# KiCad board board_deltaRenumBack.kicad_pcb (continued)
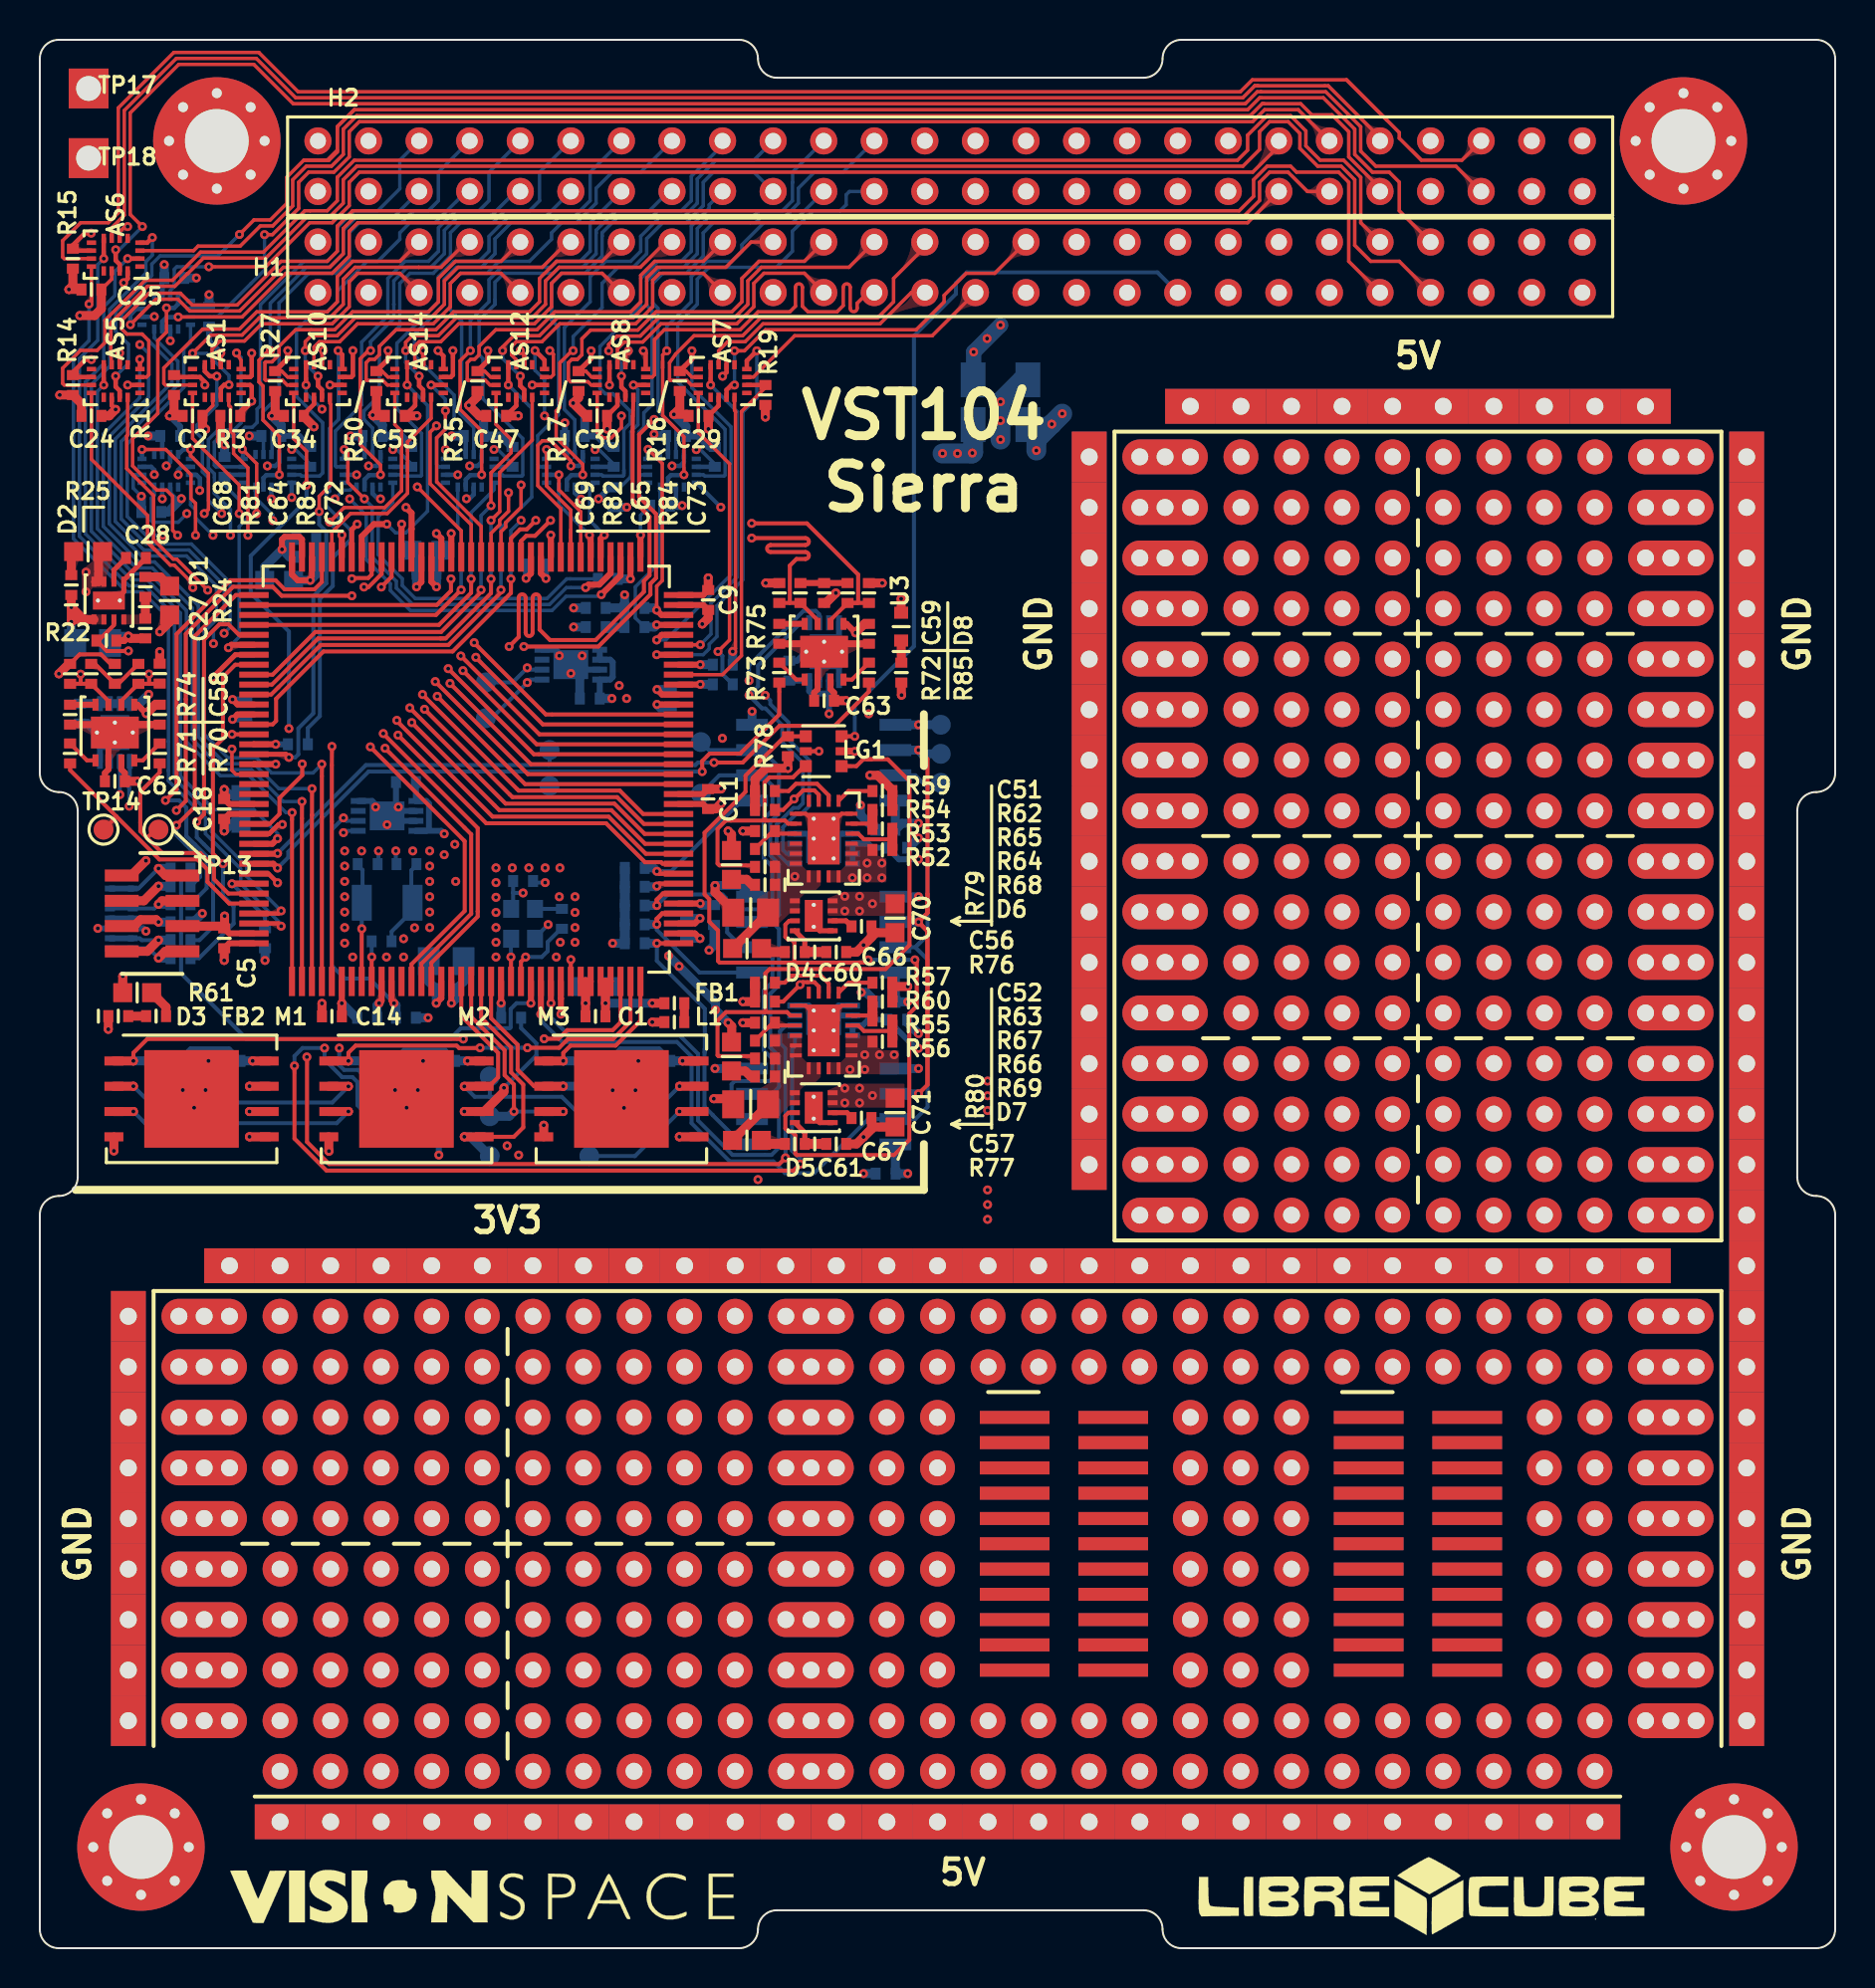
[diagram p0: board, top side]
## Routing (per net, layer and track width the routed paths; a pad name or vN(x,y) marks a point on that pad's centre or on a via; arc(x,y) is an arc through that point) (continued)
/UART2_RX: length 31
  Top w0.2: U1.122 11.69,61.49 11.87,61.66 11.87,62.78 14.24,65.15 20.73,65.15 23.37,67.79 23.37,67.8 23.66,68.09 v1(23.66,68.8)
  Top w0.225: AS12.16 25.35,79.79 v1(24.87,80.27)
  In2.Cu w0.173: v1(25.35,76.99) 25.89,76.45 25.89,74.77 25.21,74.09 25.21,72.78 v1(24.17,71.74)
  Bottom w0.173: v1(24.87,80.27) 24.87,79.28 25.35,78.8 v1(25.35,76.99) ; v1(24.17,71.74) 23.66,71.23 v1(23.66,68.8)
/UART2_TX: length 27.1
  Top w0.2: v1(23.16,68.25) 23.16,68.12 20.52,65.48 14.11,65.48 11.62,62.99 U1.119
  Top w0.225: AS12.4 v1(23.53,78.54)
  Bottom w0.173: v1(23.16,68.25) 23.16,71.36 24.71,72.91 24.71,77.36 v1(23.53,78.54)
/UART3_CTS: length 8
  Top w0.173: 26.67,70.87 U1.80 ; 26.67,70.87 26.67,71.28 ; 26.67,70.87 26.67,71.07 ; U1.80 26.67,71.28 ; U1.80 26.67,69.9 ; 26.67,71.28 26.67,72.25 25.45,73.47 v1(25.45,75.3)
  Bottom w0.225: AS13.8 25.45,75.3 v1(25.45,75.3)
/UART3_EN: length 10.3
  Top w0.173: U1.79 27.17,72.18 26.07,73.27 v1(26.07,74.03)
  In2.Cu w0.173: v1(27.89,75.29) 26.84,75.29 26.07,74.52 v1(26.07,74.03)
  Bottom w0.173: 28.82,74.53 28.72,74.43 ; v1(27.89,75.29) 28.09,75.29 28.82,74.56 R36.1
  Bottom w0.225: AS13.6 v1(26.07,74.03) ; AS13.14 R36.1
/UART3_RST: length 9.6
  Top w0.173: v1(26.67,74.48) 26.67,74.73 25.66,75.74 25.24,75.74 25.01,75.51 25.01,73.48 26.17,72.33 U1.81
  Bottom w0.225: v1(26.67,74.48) 27.07,74.48 27.27,74.67 AS13.12
/UART3_RX: length 4.6
  Top w0.3: U1.78 27.67,70.94 v1(27.6,71)
  Bottom w0.173: v1(27.6,71) 26.07,72.53 AS13.4 26.07,73.01
/UART3_TX: length 4.3
  Top w0.3: U1.77 28.17,70.82 v1(28.35,71)
  Bottom w0.173: 27.97,71.38 27.89,71.46 ; 27.97,71.38 v1(28.35,71) ; 27.97,71.38 27.62,71.73 27.62,73.36 AS13.16
/UART4_CTS: length 40.1
  Top w0.2: v1(6.86,57.17) 7.33,57.64 7.33,66.03 9.7,68.4 11.69,68.4 12.15,67.95 v1(15.67,67.95)
  Top w0.225: v1(11.94,53.53) 11.48,53.99 U1.137
  In2.Cu w0.173: v1(15.67,67.95) 17.36,67.95 19.18,69.77 19.18,70.58 ; 19.18,70.58 19.18,71.39 20.25,72.46 20.25,75.18 v1(20.37,75.3) ; 19.18,70.58 19.18,69.84
  In2.Cu w0.2: v1(11.94,53.53) 11.44,53.03 9.28,53.03 8.75,53.56 8.75,56.41 7.99,57.17 v1(6.86,57.17)
  Bottom w0.225: v1(20.37,75.3) 20.37,75.3 AS15.8
/UART4_EN: length 11.2
  Top w0.173: U1.88 22.67,71.1 23.1,71.53 23.1,71.75 23.54,72.2 v1(23.54,73.13)
  In2.Cu w0.173: v1(20.99,74.03) 21.43,73.59 22.4,73.59 22.81,74 ; 22.81,74 22.81,73.86 v1(23.54,73.13) ; 22.81,74 v1(22.81,75.3)
  Bottom w0.173: R51.1 23.74,74.56 23,75.3 v1(22.81,75.3)
  Bottom w0.225: AS15.14 R51.1 ; AS15.6 v1(20.99,74.03)
/UART4_RST: length 19.4
  Top w0.2: U1.110 19.94,67.49 20.65,68.2 v1(20.65,68.8)
  In2.Cu w0.173: v1(20.65,68.8) 19.48,69.97 19.48,71.27 20.55,72.34 20.55,74.24 20.79,74.48 v1(21.59,74.48)
  Bottom w0.225: v1(21.59,74.48) 21.99,74.48 22.19,74.67 AS15.12
/UART4_RX: length 17.6
  Top w0.2: v1(21.66,68.8) 21.66,68.1 20.05,66.49 U1.112
  Bottom w0.173: AS15.16 22.81,73.28 21.66,72.13 v1(21.66,68.8)
/UART4_TX: length 16.2
  Top w0.2: U1.111 19.9,66.99 v1(21.16,68.25)
  Bottom w0.173: AS15.4 20.99,71.4 21.16,71.23 v1(21.16,68.25)
/USER1_1: length 33.7
  Top w0.17: 10.45,73.3 10.45,74.38 9.73,75.1 9.73,75.34
  Top w0.173: AS1.12 9.49,77.52 9.58,77.43 9.58,76.22 9.73,76.07 9.73,75.34 ; v1(10.45,70.99) 10.45,73.3
  Top w0.2: v1(20.51,64.29) 24.81,59.99 U1.56
  In2.Cu w0.173: v1(20.51,64.29) 18.49,66.31 14.89,66.31 14.63,66.57 14.63,66.57 10.45,70.74 v1(10.45,70.99)
/USER1_2: length 39.3
  Top w0.173: AS1.16 10.11,79.78 v1(9.88,80.15)
  Top w0.2: U1.54 24.51,58.99 v1(19.86,63.64)
  In2.Cu w0.173: v1(19.86,63.64) 17.79,65.71 14.63,65.71 9.57,70.77 v1(9.57,70.99)
  Bottom w0.17: 8.77,73.9 8.77,73.1 9.57,72.29 9.57,72.2
  Bottom w0.173: 8.77,73.9 8.77,74.08 8.47,74.38 8.47,75.8 8.95,76.28 9.75,76.28 10.1,76.64 10.1,79.93 v1(9.88,80.15) ; 9.57,72.2 v1(9.57,70.99)
/USER1_4: length 35.1
  Top w0.17: 10.01,73.14 10.01,73.52 8.88,74.65
  Top w0.173: AS1.8 7.67,75.86 8.88,74.65 ; v1(10.01,72.08) 10.01,73.14
  Top w0.2: v1(20.6,63.55) 24.66,59.49 U1.55
  In2.Cu w0.173: v1(20.6,63.55) 18.14,66.01 14.76,66.01 14.56,66.21 14.55,66.21 10.01,70.76 v1(10.01,72.08)
/USER1_EN: length 17.5
  Top w0.2: U1.98 17.67,68.91 v1(17.15,68.39)
  Top w0.225: AS1.14 10.56,78.54 10.64,78.47 v1(10.64,77.73)
  Top w0.3: R3.2 10.07,77.16 v1(10.64,77.73)
  In2.Cu w0.173: v1(17.15,68.39) 17.15,69.71 14.38,72.48 14.38,76.47 13.12,77.73 10.93,77.73 v1(10.64,77.73)
/USER2_1: length 29.1
  Top w0.2: v1(21.9,64.86) 21.93,64.83 21.93,64.82 25.26,61.49 U1.59
  In2.Cu w0.173: v1(21.9,64.86) 21.9,64.86 19.55,67.21 15.34,67.21 14.81,67.74 14.81,69.47 12.14,72.14 12.14,72.96 11.43,73.67 v1(11.43,74.48)
  Bottom w0.225: v1(11.43,74.48) 11.83,74.48 12.03,74.67 AS2.12
/USER2_2: length 26.5
  Top w0.2: v1(21.81,65.6) 21.84,65.57 21.84,65.56 25.41,61.99 U1.60
  In2.Cu w0.173: 16.65,67.51 19.9,67.51 v1(21.81,65.6) ; 16.65,67.51 15.46,67.51 15.11,67.86 15.11,69.59 12.65,72.05 v1(12.65,72.89) 12.65,72.87 ; 16.65,67.51 16.35,67.51
  Bottom w0.225: v1(12.65,72.89) 12.65,72.89 AS2.16
/USER2_4: length 30.8
  Top w0.17: v1(10.17,75.31) 10.89,74.59 10.89,73.07
  Top w0.173: v1(10.89,72.08) 10.89,73.07
  Top w0.2: v1(21.25,64.19) 24.95,60.49 U1.57
  In2.Cu w0.173: v1(21.25,64.19) 18.83,66.61 15.01,66.61 14.76,66.87 14.75,66.87 10.89,70.73 v1(10.89,72.08)
  Bottom w0.225: v1(10.17,75.31) 10.21,75.27 AS2.8
/USER2_EN: length 12
  Top w0.2: v1(15.67,68.81) 15.7,68.84 16.49,68.84 16.67,69.02 U1.100
  In2.Cu w0.173: v1(15.67,68.81) 15.67,69.45 13.09,72.04 13.09,73.17 12.65,73.61 v1(12.65,75.3)
  Bottom w0.173: R4.1 13.58,74.56 12.84,75.3 v1(12.65,75.3)
  Bottom w0.225: AS2.14 R4.1
/USER3_1: length 35.5
  Top w0.173: v1(8.26,72.08) 8.47,72.29 8.47,74.09 7.57,74.99 v1(7.57,75.31)
  Top w0.2: v1(19.32,62.25) 23.74,57.83 28.99,57.83 30.34,56.49 U1.49
  In2.Cu w0.173: v1(8.26,72.08) 8.26,70.78 14.23,64.81 16.76,64.81 v1(19.32,62.25)
  Bottom w0.225: AS3.12 7.21,75.31 v1(7.57,75.31)
/USER3_2: length 32.4
  Top w0.2: U1.50 30.3,56.99 29.13,58.16 24.05,58.16 v1(19.22,62.99)
  In2.Cu w0.173: v1(8.7,70.99) 8.7,70.8 10.35,69.15 14.38,65.11 17.1,65.11 v1(19.22,62.99)
  Bottom w0.17: AS3.16 7.57,72.52 7.82,72.26 7.82,71.87 v1(8.7,70.99)
/USER3_3: length 36.1
  Top w0.2: U1.47 30.4,55.49 28.71,57.18 23.08,57.18 v1(18.68,61.58)
  In2.Cu w0.173: v1(18.68,61.58) 16.05,64.21 13.98,64.21 7.38,70.81 v1(7.38,72.08)
  Bottom w0.173: v1(7.38,72.08) 6.95,71.65 5.68,71.65 5.6,71.73 5.6,72.86 5.75,73.01 AS3.4
/USER3_4: length 37.2
  Top w0.173: v1(7.82,70.99) 7.82,72.6 7.59,72.83 7.59,74.04 6.33,75.3 v1(5.13,75.3)
  Top w0.2: U1.48 30.38,55.99 28.86,57.51 23.39,57.51 18.58,62.32 v1(18.58,62.32)
  In2.Cu w0.173: v1(18.58,62.32) 16.39,64.51 14.1,64.51 7.82,70.79 v1(7.82,70.99)
  Bottom w0.225: v1(5.13,75.3) 5.13,75.3 AS3.8
/USER3_EN: length 27.6
  Top w0.2: v1(13.18,59.5) 13.18,58.94 12.04,57.79 12.04,56.99 11.54,56.49 U1.132
  In2.Cu w0.17: 13.18,61.37 v1(13.18,59.5)
  In2.Cu w0.173: 5.1,72.84 v1(5.1,72.95) ; v1(5.1,72.95) 5.1,71.39 6.63,69.86 6.63,68.77 8.26,67.14 8.26,65.36 11.87,61.75 12.88,61.75 13.18,61.45 13.18,61.37 ; v1(5.1,72.95) 5.71,73.56 6.48,73.56 v1(6.95,74.03)
  Bottom w0.173: AS3.6 4.8,74.03 4.69,73.91 4.69,73.36 v1(5.1,72.95)
  Bottom w0.225: v1(6.95,74.03) 6.95,74.27 7.11,74.43 AS3.14
  Bottom w0.45: R10.1 v1(5.1,72.95)
/USER4_1: length 46.3
  Top w0.173: v1(6.92,70.99) 6.67,71.24 6.67,72.95 6.36,73.26 5.88,73.26 4.66,74.48 4.66,75.85 5.93,77.12 5.93,80.76 6.36,81.2 v1(6.36,82.41)
  Top w0.2: U1.46 30.44,54.99 28.57,56.85 22.74,56.85 17.93,61.66 v1(17.93,61.69)
  In2.Cu w0.173: v1(6.92,70.99) 6.92,70.85 13.85,63.91 15.71,63.91 v1(17.93,61.69)
  Bottom w0.225: AS4.12 6.95,82.61 6.75,82.41 v1(6.36,82.41)
/USER4_2: length 49.6
  Top w0.2: U1.45 31.28,54.49 31.21,54.56 30.4,54.56 28.44,56.52 22.42,56.52 v1(17.99,60.95)
  In2.Cu w0.173: v1(6.18,70.99) 6.98,70.19 7.09,70.19 13.68,63.6 15.34,63.6 ; 15.34,63.6 v1(17.99,60.95) 15.34,63.6
  Bottom w0.173: v1(6.18,70.99) 5.34,70.99 4.39,71.94 4.39,75.58 7.23,78.42 7.23,80.34 7.57,80.68 AS4.16
/USER4_3: length 45.2
  Top w0.2: v1(16.6,60.36) 21.34,55.62 21.34,52.11 18.67,49.44 U1.13
  In2.Cu w0.173: v1(16.6,60.36) 14.26,62.7 12.76,62.7 9.39,66.07 v1(9.25,66.07)
  Bottom w0.173: v1(9.25,66.07) 9.56,66.37 9.56,68.61 7.61,70.55 5.35,70.55 4.09,71.81 4.09,75.7 6.93,78.54 6.93,79.73 5.75,80.91 AS4.4
/USER4_4: length 44.3
  Top w0.2: v1(14.67,60.38) 14.67,59.44 U1.5
  In2.Cu w0.173: v1(8.72,65.55) 8.72,65.44 11.79,62.38 11.79,62.38 12.11,62.06 12.99,62.06 v1(14.67,60.38)
  Bottom w0.173: AS4.8 5.13,82.73 5.1,82.7 4.7,82.7 4.11,82.1 4.11,81.36 4.36,81.1 5.13,81.1 6.63,79.61 6.63,78.67 3.79,75.82 3.79,71.69 5.23,70.25 7.49,70.25 9.26,68.48 9.26,66.72 8.72,66.18 v1(8.72,65.55)
/USER4_EN: length 32.6
  Top w0.173: v1(9.65,60.25) 9.65,59.18 9.84,58.99 U1.127
  In2.Cu w0.173: v1(9.65,60.25) 10.12,60.72 10.12,63.07 7.96,65.22 7.96,67.01 6.33,68.64 6.33,69.74 4.66,71.41 4.66,78.01 5.75,79.1 v1(5.75,81.98) 5.75,82.45 6.38,83.08 v1(8.5,83.08)
  Bottom w0.225: AS4.14 8.4,82.37 R11.1 ; AS4.6 5.74,81.97 v1(5.75,81.98)
  Bottom w0.45: R11.1 v1(8.5,83.08)
/USER5_1: length 38.7
  Top w0.173: AS5.12 4.41,76.02 4.36,75.97 4.36,74.35 4.67,74.04 4.67,74.03 5.71,72.99 5.71,70.78 6.7,69.79 6.88,69.79 v1(8.43,68.23)
  Top w0.2: U1.15 19.67,49.51 21.99,51.84 21.99,56.28 17.25,61.02 v1(17.25,61.03)
  In2.Cu w0.173: v1(17.25,61.03) 14.98,63.3 13.36,63.3 v1(8.43,68.23)
/USER5_2: length 39.1
  Top w0.2: v1(13.67,58.26) 13.67,56.94 13.67,56.94 U1.3
  Top w0.225: AS5.16 5.03,79.82 v1(5.02,79.83)
  Bottom w0.173: v1(5.02,79.83) 5.02,77.91 3.19,76.07 3.19,71.44 4.98,69.65 5.77,69.65 7.96,67.46 7.96,60.87 9.32,59.51 10.76,59.51 12.01,58.26 v1(13.67,58.26)
/USER5_3: length 37.2
  Top w0.2: v1(13.17,57.62) U1.2
  Top w0.225: AS5.4 v1(3.21,78.54)
  Bottom w0.173: v1(3.21,78.54) 2.89,78.22 2.89,71.32 4.85,69.35 5.64,69.35 7.66,67.34 7.66,60.74 9.19,59.21 10.63,59.21 12.23,57.62 v1(13.17,57.62)
/USER5_4: length 39.9
  Top w0.173: v1(7.68,68.36) 7.68,68.56 6.75,69.49 6.56,69.49 5.77,70.28 ; AS5.8 2.59,74.81 5.41,71.99 5.41,70.64 5.77,70.28 ; 5.49,70.55 5.77,70.28
  Top w0.2: v1(17.34,60.29) 21.67,55.96 21.67,51.98 19.17,49.48 U1.14
  In2.Cu w0.173: v1(7.68,68.36) 13.04,63 14.63,63 v1(17.34,60.29)
/USER5_EN: length 25.5
  Top w0.173: U1.115 9.84,64.99
  Top w0.225: AS5.14 v1(4.41,78.54) ; v1(2.59,79.82) 2.3,79.82 1.66,79.18 R14.1 1.76,78.94 AS5.6
  Top w0.25: v1(8.7,63.84) 8.7,63.87 9.82,64.99 U1.115
  In2.Cu w0.173: v1(2.59,79.82) 3.62,79.82 4.4,79.04 4.4,78.55 v1(4.41,78.54) 4.36,78.49 4.36,71.28 6.03,69.61 6.03,68.52 7.65,66.9 7.65,64.88 v1(8.7,63.84)
/USER6_1: length 46.6
  Top w0.2: U1.4 14.17,59.48 v1(14.16,59.49)
  Top w0.225: v1(4.21,83.68) 4.41,83.88 AS6.12
  In2.Cu w0.173: v1(5.02,80.57) 4.9,80.57 3.99,81.48 3.99,83.46 v1(4.21,83.68)
  Bottom w0.173: v1(14.16,59.49) 13.72,59.05 11.64,59.05 10.88,59.81 9.44,59.81 8.26,60.99 8.26,66.14 8.87,66.76 8.87,68.45 7.37,69.95 5.1,69.95 3.49,71.57 3.49,75.95 5.46,77.92 5.46,80.13 v1(5.02,80.57)
/USER6_2: length 45.2
  Top w0.173: 5.15,85.69 AS6.16
  Top w0.2: U1.1 12.67,57.06 v1(12.67,57.06)
  Top w0.225: v1(5.65,85.95) 5.39,85.69 AS6.16
  Bottom w0.173: v1(12.67,57.06) 12.36,57.06 10.51,58.91 9.07,58.91 7.36,60.62 7.36,67.21 5.52,69.05 4.73,69.05 2.59,71.19 2.59,78.57 3.51,79.49 3.51,82.35 5.33,84.16 5.33,84.74 5.65,85.06 v1(5.65,85.95)
/USER6_3: length 40.4
  Top w0.225: AS6.4 v1(3.21,84.89) ; U1.141 11.99,51.99 v1(12.12,52.12)
  Bottom w0.173: v1(12.12,52.12) 10.39,53.85 10.39,54.35 8.62,56.12 8.62,56.91 6.76,58.77 6.76,66.96 5.27,68.45 4.48,68.45 1.99,70.95 1.99,79.87 2.91,80.79 2.91,84.59 v1(3.21,84.89)
/USER6_4: length 40.2
  Top w0.173: 2.59,82.96 2.59,82.73 ; 2.59,82.96 2.59,82.89 ; 2.59,82.96 2.59,83.11 ; 2.59,82.73 2.59,83.11 ; 2.59,82.73 v1(2.47,82.61) ; 2.59,83.11 AS6.8
  Top w0.225: v1(12.12,51.35) 11.98,51.49 U1.142
  Bottom w0.173: v1(12.12,51.35) 12.12,51.45 10.09,53.48 10.09,54.23 8.32,56 8.32,56.79 6.46,58.65 6.46,66.84 5.15,68.15 4.36,68.15 1.69,70.82 1.69,79.99 2.47,80.77 v1(2.47,82.61)
/USER6_EN: length 42.7
  Top w0.225: v1(2.58,86.17) 2.26,86.17 1.66,85.57 R15.1 1.76,85.29 AS6.6 ; AS6.14 v1(4.41,84.89)
  Top w0.3: v1(11.94,55.75) 11.68,55.49 U1.134
  In2.Cu w0.173: v1(2.58,86.17) 3.63,86.17 4.41,85.39 v1(4.41,84.89)
  Bottom w0.173: 7.06,60.64 7.06,67.09 5.4,68.75 4.6,68.75 2.29,71.07 2.29,78.69 3.21,79.61 3.21,82.47 3.77,83.04 3.77,84.25 v1(4.41,84.89) ; 7.06,60.64 7.06,60.5 ; 7.06,60.64 7.06,58.9 8.75,57.2 10.75,57.2 11.94,56.01 v1(11.94,55.75)
/USER_SPI1_EN: length 19.1
  Top w0.2: U1.99 17.17,69.05 16.51,68.39 v1(16.28,68.39)
  Top w0.225: v1(8.29,78.54) 8.29,78.69 8.04,78.94 AS1.6 6.84,78.94 R1.2
  In2.Cu w0.173: v1(16.28,68.39) 16.28,69.27 13.59,71.96 13.59,72.98 13.83,73.23 13.83,75.45 11.86,77.43 11.44,77.43 11.3,77.29 9.54,77.29 v1(8.29,78.54)
/USER_SPI2_EN: length 11.8
  Top w0.3: v1(9.47,65.34) 9.62,65.49 U1.114
  Bottom w0.17: v1(9.47,65.34) 10.01,65.88 10.01,71.43 10.45,71.87 10.45,72.34 9.28,73.51 R2.1
  Bottom w0.225: AS2.6 9.38,74.03 R2.1
/WATCHDOG: length 15.8
  Top w0.173: AS7.8 33.07,76.15 34.64,74.58 34.64,65.73 v1(34.06,65.15)
  Bottom w0.2: v1(34.06,65.15) 34.28,64.93 34.28,64.02 R8.2
CAN_1_N: length 19.2
  Top w0.173: v1(28.57,80.26) 28.57,80.58 28.99,81 30.16,81 31.07,81.92 34.88,81.92 35.56,82.6 35.56,83.77 36.24,84.46 40.64,84.46 H1.24
  Top w0.225: v1(29.21,78.99) 29.21,78.43 29.41,78.23 AS8.11
  Bottom w0.173: v1(28.57,80.26) 29.21,79.62 v1(29.21,78.99) 29.16,78.99
CAN_1_P: length 17.5
  Top w0.173: uwA*****#6.1 37.95,82.5 37.67,82.22 36.07,82.22 35.17,81.32 31.37,81.32 30.87,80.82 30.87,79.06 30.76,78.94 AS8.15 ; uwA*****#6.1 38.3,82.5 38.58,82.22 40.03,82.22 40.35,82.53 uwA*****#4.1 ; uwA*****#5.1 41.05,82.65 41.59,83.19 H1.23 ; uwA*****#5.1 uwA*****#4.1
CAN_2_N: length 24.3
  Bottom w0.173: AS9.11 31.95,76.34 31.05,77.24 31.05,82.39 30.78,82.66 30.78,83.64 31.29,84.15 32.46,84.15 33.32,85.01 33.32,86.19 33.82,86.69 35.7,86.69 35.71,86.7 35.94,86.7 36.24,87 37.42,87 38.1,87.68 38.1,88.43 38.9,89.23 40.34,89.23 H2.24
CAN_2_P: length 24.3
  Bottom w0.173: AS9.15 33.33,74.03 33.39,73.97 34.37,73.97 34.41,74.01 34.41,76.32 32.04,78.69 32.04,81.62 33.02,82.6 33.02,83.86 33.62,84.46 37,84.46 37.8,85.26 37.8,86.27 38.81,87.29 40.19,87.29 40.5,87.6 40.5,88.1 40.67,88.26 H2.23
CPU_MODE: length 19.7
  Top w0.173: v1(34.89,80.26) 35.39,80.26 36.45,81.32 44.02,81.32 45.42,82.72 45.42,83.05 46.52,84.15 47.96,84.15 H1.30
  Top w0.225: AS7.11 34.49,78.3 34.73,78.54 v1(34.89,78.54)
  Bottom w0.173: v1(34.89,78.54) v1(34.89,80.26)
CPU_WD_1: length 13.2
  Top w0.173: AS7.15 35.84,78.94 37.91,81.02 44.82,81.02 H1.27
GLO_FAULT: length 18.9
  Top w0.173: 34.17,81.02 34.4,81.02 ; AS7.7 32.73,78.54 32.49,78.78 31.67,78.78 31.63,78.82 31.63,79.66 31.93,80.09 32.86,81.02 35.3,81.02 36.2,81.92 42.08,81.92 42.88,82.72 42.88,83.9 44.45,85.47 H1.26
GLO_KS_1: length 37.3
  Top w0.2: LG1.3 v1(40.93,60.89)
  Bottom w0.2: v1(40.93,60.89) 40.93,62.44 43.9,65.41 43.9,81.01 46.01,83.12 46.01,83.66 46.55,84.2 56.14,84.2 H1.35
GLO_SYNC: length 12.3
  Top w0.173: AS7.3 34.09,80.26 34.55,80.72 35.42,80.72 36.32,81.62 42.2,81.62 43.77,83.19 H1.25
I2C_1_SCL: length 13.8
  Top w0.173: AS8.3 29.01,80.36 29.35,80.7 30.28,80.7 31.2,81.62 35,81.62 35.86,82.47 35.86,83.65 36.37,84.16 38.4,84.16 H1.21
I2C_1_SDA: length 19.1
  Top w0.173: H1.22 38.4,84.76 36.12,84.76 35.26,83.9 35.26,82.72 34.76,82.22 30.95,82.22 30.03,81.3 27.66,81.3 27.23,80.86 27.23,80.06 27,79.83 ; AS8.7 27.69,78.54 27.53,78.7 26.66,78.7 26.55,78.82 26.55,79.66 26.72,79.83 27,79.83 ; 27,79.83 26.78,79.83
I2C_2_SCL: length 21.3
  Top w0.173: v1(31.49,80.26) 31.28,80.05 31.28,79.4 ; v1(32.35,74.03) 32.35,75.94 31.28,77.01 31.28,79.4 ; 31.28,79.4 31.28,79.74
  Bottom w0.173: H2.21 37.8,86.69 36.36,86.69 35.26,85.59 35.26,85.26 34.76,84.76 33.49,84.76 32.72,83.99 32.72,82.72 31.49,81.49 v1(31.49,80.26)
  Bottom w0.225: AS9.3 31.55,73.87 31.69,74.01 32.33,74.01 v1(32.35,74.03)
I2C_2_SDA: length 23.5
  Bottom w0.173: H2.22 37.81,89.25 37.81,88.73 37.8,88.72 37.8,87.8 37.3,87.3 36.12,87.3 35.82,87 33.61,87 33.02,86.4 33.02,85.14 32.34,84.46 31.16,84.46 30.48,83.77 30.48,82.53 30.75,82.27 30.75,77.55 30.34,77.14 30.34,76.42 30.09,76.17 30.09,74.55 30.2,74.43 AS9.7
NRST: length 26.8
  Top w0.3: v1(24.66,47.48) 24.67,47.49 U1.25
  Bottom w0.2: R43.2 7.09,53.77 7.09,48.98 10.4,45.68 20.6,45.68 21.14,46.22 23.6,46.22 23.65,46.27 23.65,47.19 23.94,47.48 v1(24.66,47.48)
SPI_1_CS1: length 14.3
  Top w0.173: AS10.3 13.77,80.45 14.04,80.72 15.06,80.72 15.96,81.62 19.76,81.62 20.62,82.47 20.62,83.65 21.12,84.15 23.16,84.15 H1.9
  Bottom w0.173: 23.85,82.91 H1.9
SPI_1_CS2: length 13.9
  Top w0.225: AS1.15 10.56,78.94 10.64,79.01 v1(10.64,80.14)
  In2.Cu w0.173: H1.7 20.62,82.22 17.37,82.22 17.07,81.91 15.82,81.91 14.93,81.02 11.52,81.02 v1(10.64,80.14)
SPI_1_MISO: length 19.2
  Top w0.173: v1(13.33,80.27) 13.33,80.72 13.63,81.02 14.93,81.02 15.83,81.92 19.64,81.92 20.32,82.6 20.32,83.77 21,84.46 25.23,84.46 26.5,85.72 H1.12
  Top w0.225: AS10.11 14.17,78.3 13.97,78.5 v1(13.97,78.99)
  Bottom w0.173: v1(13.97,78.99) 13.33,79.63 v1(13.33,80.27)
SPI_1_MOSI: length 18.7
  Top w0.173: AS10.7 12.42,78.54 12.19,78.78 11.35,78.78 11.31,78.82 11.31,79.66 11.35,79.7 11.66,79.7 12.01,80.06 12.01,80.48 12.85,81.32 14.81,81.32 15.71,82.22 19.52,82.22 20.02,82.72 20.02,83.9 20.88,84.76 23.16,84.76 H1.10
SPI_1_SCK: length 14
  Top w0.173: 15.23,78.9 AS10.15
  Top w0.225: v1(15.72,80.27) 15.72,79.02 15.64,78.94 AS10.15
  In2.Cu w0.173: v1(15.72,80.27) 15.85,80.27 17.5,81.92 25.4,81.92 H1.11
SPI_2_CS1: length 21.1
  Top w0.173: v1(17.11,74.03) 17.11,74.53 16.09,75.55 16.09,79.85 16.5,80.27 v1(16.61,80.27)
  Bottom w0.173: v1(16.61,80.27) 16.61,80.72 17.78,81.89 17.78,82.59 17.78,82.6 17.78,83.77 18.46,84.46 19.64,84.46 20.32,85.14 20.32,86.31 21,87 22.62,87 23.89,88.26 H2.9
  Bottom w0.225: v1(17.11,74.03) 17.09,74.01 16.53,74.01 16.31,73.79 AS11.3
SPI_2_CS2: length 21.5
  Bottom w0.173: AS2.15 13.08,74.03 13.15,73.97 14.05,73.97 14.21,74.12 14.21,76.64 12.89,77.96 12.89,81.3 13.81,82.22 14.44,82.22 14.94,82.72 14.94,83.26 16.44,84.76 16.98,84.76 18.08,85.86 18.08,86.19 18.58,86.69 19.85,86.69 21.42,88.26 H2.7
SPI_2_MISO: length 22.6
  Bottom w0.173: H2.12 25.1,89.23 25.1,87.8 24.6,87.3 23.35,87.3 22.74,86.69 21.12,86.69 20.62,86.19 20.62,85.01 19.76,84.15 18.58,84.15 18.08,83.65 18.08,81.51 17.05,80.48 17.05,78.01 16.28,77.24 16.28,76.82 16.71,76.39 AS11.11
SPI_2_MOSI: length 22
  Bottom w0.173: AS11.7 14.89,74.43 14.85,74.47 14.85,76.23 16.16,77.54 16.16,80.7 17.48,82.01 17.48,83.9 18.34,84.76 19.52,84.76 20.02,85.26 20.02,86.44 20.88,87.3 22.06,87.3 22.56,87.8 22.56,89.23 H2.10
SPI_2_SCK: length 21.7
  Bottom w0.173: AS11.15 18.1,74.03 18.16,73.97 19.13,73.97 19.17,74.01 19.17,76.11 17.93,77.35 17.93,80.64 20.02,82.72 20.02,83.99 20.79,84.76 22.06,84.76 22.56,85.26 22.56,86.01 23.54,86.99 25.4,86.99 H2.11
SUP_3V3: length 57.9
  In3.Cu w0.77: v1(46.9,80.2) v1(47.58,80.88) v1(48.25,81.55) 48.25,82.57 48.26,82.58 48.26,87 H2.27 ; H2.28 45.72,92.07 43.84,92.07 43.18,91.41 43.18,82.34 44.09,81.43 44.09,62.52 43.29,61.72 43.29,58.07 41.55,56.33 v1(41.55,54.52)
  In3.Cu w1.365: H2.28 H2.27
  Bottom w0.77: R86.2 46.9,78.82 v1(46.9,80.2) v1(48.25,81.55)
  vias: v1(40.81,53.78) v1(41.55,53.78) v1(42.29,54.52) v1(42.29,53.78)
SUP_5V: length 55
  In3.Cu w0.77: 44.99,75.61 44.99,81.46 45.72,82.19 45.72,87 H2.25 ; 44.99,75.61 44.99,75.21 ; 44.99,75.61 45.5,75.1 45.65,75.1 45.57,75.1 44.99,74.51 ; 44.99,75.21 44.99,74.51 ; 44.99,75.21 45.1,75.1 ; 44.99,74.51 44.99,47.85 42.17,45.04 v1(42.17,44.89)
  In3.Cu w1: 45.57,75.1 v1(45.34,75.1) 45.1,75.1 v1(46.09,75.1) 46.85,75.1
  In3.Cu w1.365: H2.26 H2.25
  Bottom w1: R87.2 46.88,75.16 v1(46.83,75.12) 46.81,75.1 v1(45.34,75.1)
  vias: v1(40.69,44.15) v1(41.43,44.89) v1(41.43,44.15) v1(42.91,44.89)
SW_CLK: length 17.5
  Top w0.2: U1.109 9.85,67.99 7.78,65.92 7.78,57.34 v1(6.86,56.42)
  Bottom w0.2: v1(6.86,56.42) 6.86,55.92 8.05,54.73 8.05,53.83 R44.2
SW_DIO: length 25.4
  Top w0.2: 14.16,69.89 U1.105 14.17,68.65 13.8,68.28 12.29,68.28 11.84,68.73 9.57,68.73 6.87,66.03 6.87,58.23 v1(6.31,57.67)
  Bottom w0.2: v1(6.31,57.67) 7,57.67 7.36,57.31 7.36,55.88 8.37,54.87 8.37,53.25 R45.2
SW_O: length 12.9
  Top w0.2: 11.51,55.99 11.92,56.4 12.21,56.5 ; 11.51,55.99 11.98,56.46 v1(12.18,56.46) ; 11.51,55.99 U1.133
  Top w0.225: U1.133 11.52,55.99 11.99,56.46 v1(12.18,56.46)
  In2.Cu w0.2: v1(8.16,51.99) 8.48,52.31 11.39,52.31 12.39,53.31 12.39,56.25 v1(12.18,56.46)
  Bottom w0.45: v1(8.16,51.99) 7.72,51.55 R46.2
UART5_RX: length 17.7
  Top w0.2: v1(9.2,54.49) 8.69,55 8.69,60.27 9.2,60.77 9.2,63.87 9.82,64.49 U1.116
  Bottom w0.2: v1(9.2,54.49) 9.2,53.7 9.2,53.7 9.2,52.88 9.73,52.35 9.73,51.48 7.99,49.74 R48.2
UART5_TX: length 19.4
  Top w0.2: v1(7.88,56.6) 8.25,56.97 8.25,65.74 9.02,66.52 9.47,66.52 10,65.99 U1.113
  Bottom w0.2: R47.2 8.02,50.65 8.7,51.33 8.7,55 7.88,55.82 v1(7.88,56.6)
UART_1_CTS: length 18.7
  Top w0.173: AS14.7 17.46,78.54 17.22,78.78 16.43,78.78 16.39,78.82 16.39,79.66 16.56,79.83 16.82,79.83 17.05,80.06 17.05,80.48 17.89,81.32 19.89,81.32 20.79,82.22 24.6,82.22 25.1,82.72 25.1,83.9 25.96,84.76 28.24,84.76 H1.14
UART_1_RST: length 19.4
  Top w0.173: v1(18.37,80.27) 18.37,80.68 18.71,81.02 20.01,81.02 20.91,81.92 24.72,81.92 25.4,82.6 25.4,83.77 26.08,84.46 30.16,84.46 31.43,85.72 H1.16
  Top w0.225: AS14.11 19.25,78.3 19.05,78.5 v1(19.05,78.99)
  In4.Cu w0.173: 19.04,78.99 v1(19.05,78.99)
  Bottom w0.173: 18.98,78.99 v1(19.05,78.99) 18.37,79.66 v1(18.37,80.27)
UART_1_RX: length 14
  Top w0.225: v1(20.75,80.27) 20.75,79.04 20.64,78.94 AS14.15
  In2.Cu w0.173: H1.15 30.18,81.62 22.09,81.62 v1(20.75,80.27)
UART_1_TX: length 13.9
  Top w0.173: H1.13 28.24,84.15 26.2,84.15 25.7,83.65 25.7,82.47 24.84,81.62 21.04,81.62 20.14,80.72 19.06,80.72 18.82,80.48 18.82,80.14 AS14.3
UART_2_CTS: length 24.7
  Bottom w0.173: H2.14 27.64,89.23 27.64,87.8 26.84,87 26.08,87 25.78,86.69 23.66,86.69 22.86,85.89 22.86,85.14 22.18,84.46 20.92,84.46 20.32,83.86 20.32,82.6 18.81,81.09 18.81,80.03 20.81,78.03 20.81,76.76 19.93,75.88 19.93,74.55 20.04,74.43 AS15.7
UART_2_RST: length 23.9
  Bottom w0.173: AS15.11 21.79,76.42 21.11,77.1 21.11,77.99 21.18,78.06 21.18,81.75 20.62,82.31 20.62,82.88 20.62,83.65 21.12,84.15 22.46,84.15 23.06,84.76 24.6,84.76 25.7,85.86 25.7,86.19 26.2,86.69 26.96,86.69 27.94,87.68 27.94,88.43 28.74,89.23 30.18,89.23 H2.16
UART_2_RX: length 24.2
  Bottom w0.173: H2.15 31.58,88.26 30.61,87.3 28.92,87.3 27.94,86.31 27.94,86.19 27.94,85.14 27.26,84.46 26.08,84.46 25.78,84.15 23.31,84.15 22.86,83.71 22.86,82.85 ; 22.85,82.59 22.86,82.59 22.86,82.85 ; AS15.15 23.22,74.03 23.28,73.97 24.21,73.97 24.25,74.01 24.25,75.85 22.26,77.85 22.26,79.86 22.06,80.06 22.06,81.8 22.86,82.6 22.86,82.85
UART_2_TX: length 21.8
  Top w0.173: v1(21.62,80.27) 21.11,79.76 21.11,77.31 22.19,76.23 v1(22.19,74.03)
  Bottom w0.173: H2.13 27.64,86.69 27.64,85.26 27.14,84.76 25.96,84.76 ; 25.96,84.76 25.66,84.45 23.18,84.45 22.56,83.83 22.56,82.72 21.62,81.78 v1(21.62,80.27) ; 25.96,84.76 25.7,84.5
  Bottom w0.225: AS15.3 21.39,73.79 21.61,74.01 22.17,74.01 v1(22.19,74.03)
UART_RCS_1_CTS: length 18.8
  Top w0.173: H1.18 33.32,84.76 30.88,84.76 30.18,84.05 30.18,82.72 29.68,82.22 25.87,82.22 24.97,81.32 22.9,81.32 22.06,80.48 22.06,80.06 21.83,79.83 21.64,79.83 21.47,79.66 21.47,78.82 21.51,78.78 22.38,78.78 22.61,78.54 AS12.7
UART_RCS_1_RST: length 19.5
  Top w0.173: v1(23.24,80.27) 23.24,80.45 23.81,81.02 25.09,81.02 25.99,81.92 29.8,81.92 30.48,82.6 30.48,83.93 31.01,84.46 34.46,84.46 35.72,85.72 H1.20
  Top w0.225: AS12.11 24.33,78.3 24.13,78.5 v1(24.13,78.99)
  Bottom w0.173: v1(23.24,80.27) 23.24,79.88 v1(24.13,78.99)
UART_RCS_1_RX: length 14.2
  Top w0.173: AS12.15 25.68,78.94 25.79,79.06 25.79,80.09 v1(25.61,80.27)
  In2.Cu w0.173: H1.19 34.96,81.32 26.66,81.32 v1(25.61,80.27)
UART_RCS_1_TX: length 14.6
  Top w0.173: AS12.3 23.93,79.81 23.69,80.05 23.69,80.48 23.93,80.72 25.22,80.72 26.12,81.62 29.92,81.62 30.78,82.47 30.78,83.8 31.13,84.15 33.32,84.15 H1.17
  Bottom w0.173: 34.06,82.96 H1.17
UART_RCS_2_CTS: length 23.3
  Bottom w0.173: AS13.7 25.12,74.43 25.01,74.55 25.01,76 26.05,77.04 26.05,81.45 25.7,81.8 25.7,83.65 26.2,84.15 27.38,84.15 28.24,85.01 28.24,86.04 28.24,86.19 29.05,87 30.74,87 31.04,87.3 32.22,87.3 32.72,87.8 32.72,89.02 34.29,90.59 H2.18
UART_RCS_2_RST: length 22.9
  Bottom w0.173: AS13.11 26.87,76.79 26.35,77.31 26.35,81.43 27.64,82.72 27.64,83.99 28.41,84.76 29.68,84.76 30.18,85.26 30.18,86.01 31.16,87 32.34,87 33.02,87.68 33.02,88.9 33.96,89.84 35.86,89.84 H2.20
UART_RCS_2_RX: length 24.9
  Top w0.173: v1(26.79,80.27) 26.73,80.27 26.12,79.66 26.12,77.42 25.93,77.23 25.93,75.89 27.27,74.55 v1(27.27,74.03)
  Bottom w0.173: H2.19 35.86,89.23 33.82,89.23 33.32,88.73 33.32,87.55 32.46,86.69 31.28,86.69 30.48,85.89 30.48,85.14 29.8,84.46 29.05,84.46 28.24,83.65 28.24,82.43 26.79,80.98 v1(26.79,80.27)
  Bottom w0.225: v1(27.27,74.03) 27.25,74.01 26.69,74.01 26.47,73.79 AS13.3
